# Altium PCB CM5_Adapter.PcbDoc (part 1 of 3) (continued)
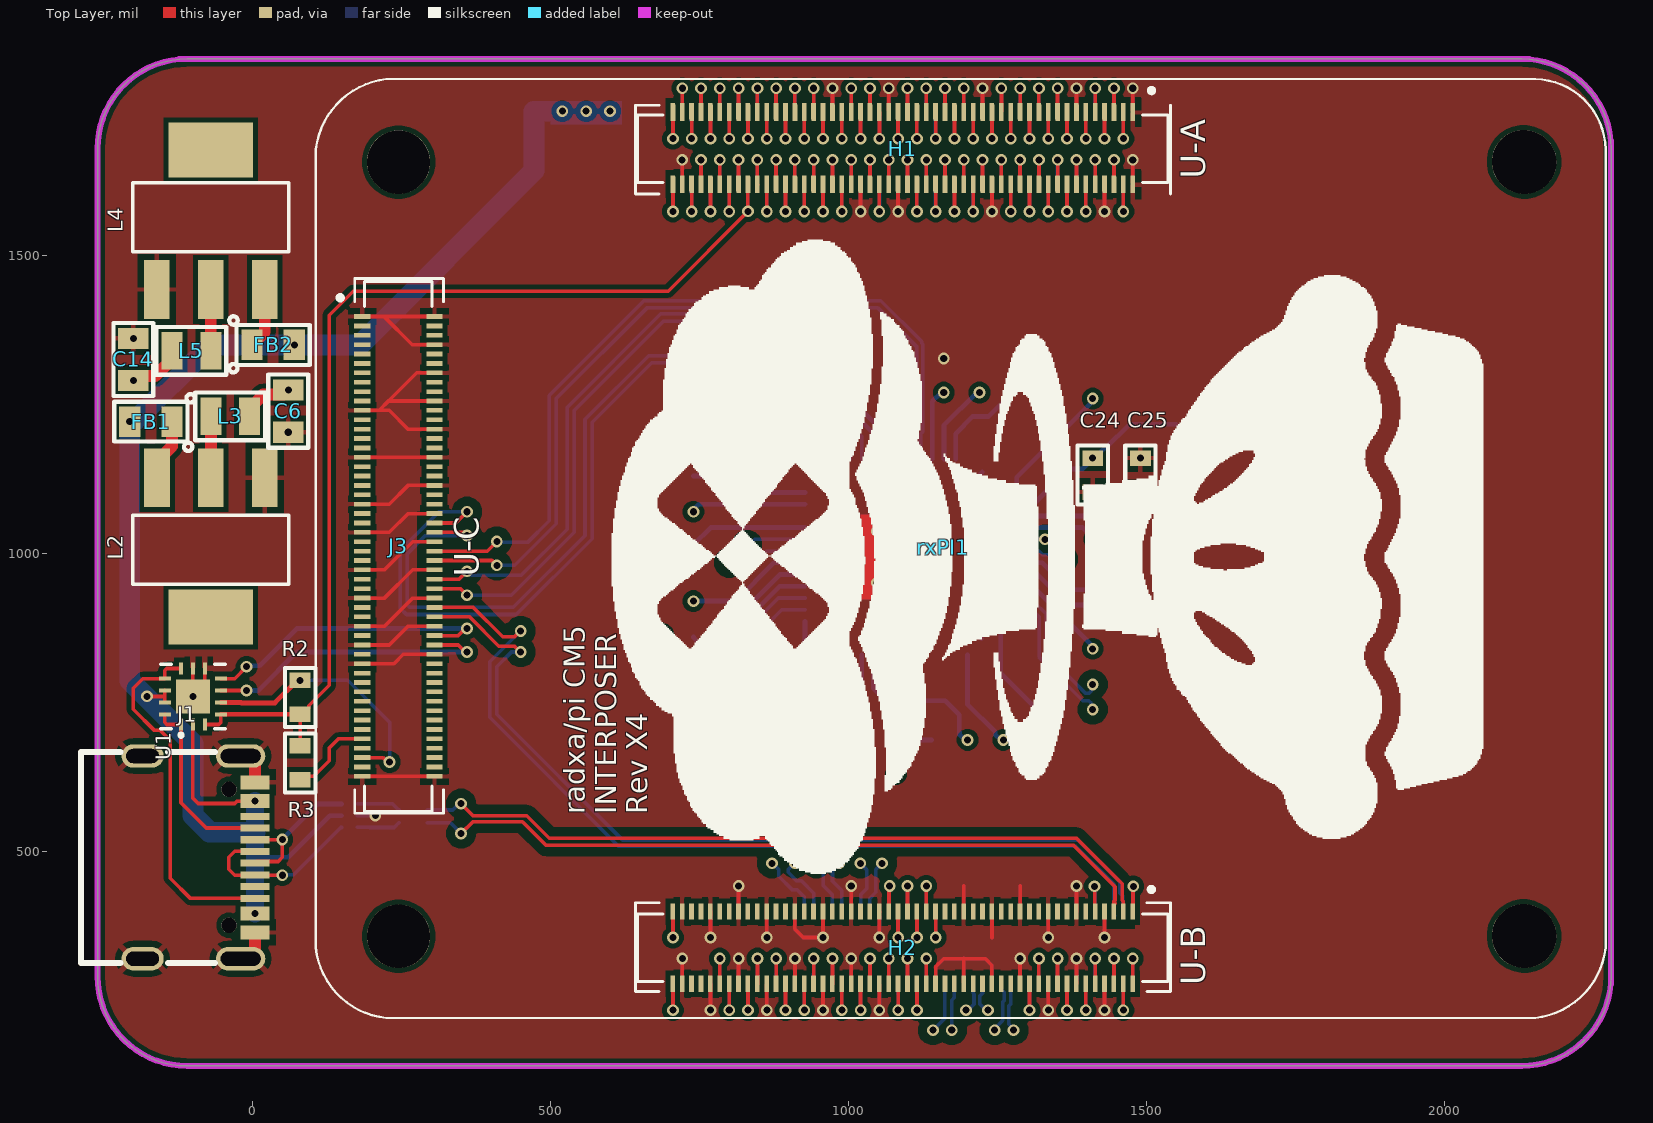
[diagram p0: Top Layer view]
## Components (designator, comment, footprint, x,y, rotation, side; value= is the part's Value field where it differs from the comment)
C1 "Generic Capacitor" 0603 960,630 r90 bottom value=1uF
C2 "Generic Capacitor" 0603 1260,630 r90 bottom value=0.1uF
C3 "Generic Capacitor" 0603 900,630 r90 bottom value=0.1uF
C4 "Generic Capacitor" 0603 683,920 r0 bottom value=0.1uF
C5 "Generic Capacitor" 0603 1080,1327 r270 bottom value=0.1uF
C6 "Generic Capacitor" 0805 60,1274.44 r270 top value=47uF
C7 "Generic Capacitor" 0603 1220,1327 r270 bottom value=0.1uF
C8 "Generic Capacitor" 0603 1467,840 r180 bottom value=0.1uF
C9 "Generic Capacitor" 0603 1200,630 r90 bottom value=0.1uF
C10 "Generic Capacitor" 0603 840,630 r90 bottom value=0.1uF
C11 "Generic Capacitor" 0603 683,1070 r0 bottom value=0.1uF
C12 "Generic Capacitor" 0603 683,1190 r0 bottom value=0.1uF
C13 "Generic Capacitor" 0603 1160,1327 r270 bottom value=0.1uF
C14 "Generic Capacitor" 0805 -200,1290 r90 top value=47uF
C15 "Generic Capacitor" 0603 1467,1260 r180 bottom value=0.1uF
C16 "Generic Capacitor" 0603 1470,1023.7 r180 bottom value=0.1uF
C17 "Generic Capacitor" 0603 1320,630 r90 bottom value=0.1uF
C18 "Generic Capacitor" 0603 1020,1327 r270 bottom value=0.1uF
C19 "Generic Capacitor" 0603 970,1327 r270 bottom value=0.1uF
C20 "Generic Capacitor" 0603 1470,950 r180 bottom value=0.1uF
C21 "Generic Capacitor" 0603 1470,900 r180 bottom value=0.1uF
C22 "Generic Capacitor" 0603 683,810 r0 bottom value=0.1uF
C23 "Generic Capacitor" 0603 683,860 r0 bottom value=0.1uF
C24 "Generic Capacitor" 0603 1410,1103 r90 top value=DNP
C25 "Generic Capacitor" 0603 1490,1160 r270 top value=DNP
D1 "2CH TVS" FP-SOT886-MFG 162.76,560 r180 bottom value=1pF
FB1 "BLM21PG221SN1D" 0805 -135.1,1221.19 r180 top
FB2 "BLM21PG221SN1D" 0805 -1,1350 r0 top
H1 "100P RCPT" DF40C-100DS-0.4V(51) 1091.38,1679.18 r0 top locked
H2 "100P MEZZ" DF40C-100DS-0.4V(51) 1091.19,338.46 r0 top locked
HA "100P MEZZ" DF40C-100DP-0.4V(51) 1091.38,1679.18 r180 bottom locked
HB "100P RCPT" DF40C-100DP-0.4V(51) 1091.38,337.53 r180 bottom locked
J1 "USB-C 2.0" GT-USB-7010ASV -90,490 r270 top
J3 "100P RCPT" DF40C-100DS-0.4V(51) 244.76,1011.78 r90 top locked
L1 "2CH CMC" SMD-6-2CH 270,558.7 r270 bottom
L2 "3.3V LDO" SOT-223-3 -70,1010 r270 top
L3 "1uH" 0806 -69.95,1230 r0 top
L4 "1.2V LDO" SOT-223-3 -70,1560 r90 top
L5 "1uH" 0806 -69.95,1340 r180 top
R1 "Generic Resistor" 0603 683,1130 r0 bottom value=10K
R2 "Generic Resistor" 0603 80,787 r270 top value=4.7K
R3 "Generic Resistor" 0603 80,677 r270 top value=0
R4 "Generic Resistor" 0603 1140,630 r90 bottom value=10K
R5 "Generic Resistor" 0603 1080,630 r90 bottom value=13K
R6 "Generic Resistor" 0603 683,1010 r0 bottom value=4.7k
R7 "Generic Resistor" 0603 1280,1327 r270 bottom value=4.7k
R8 "Generic Resistor" 0603 1020,630 r90 bottom value=1K
R9 "Generic Resistor" 0603 1550,1217 r270 bottom value=1M
rPI1 "CM5 Landing pads" "rP-200P-CM-REP (top)" 1190,1010 r270 bottom locked
rxPI1 "RxCM5 Landing pads" RX-300P-CM-FTPD 1158.52,1010 r90 top locked
U1 "FUSB302BMPX" MLP14_2P5X2P5_ONS-L -100,760 r90 top
U2 "TUSB8020BPHP" HTQFP-48(7x7) 1199.69,830 r180 bottom
Y1 "24MHZ" SMD2520-4P 1450,1130 r180 bottom

## Footprints (in the part's own frame and the unit in brackets; to place one, negate y for a bottom-side part, rotate by r counter-clockwise, add the part's x,y. Pads: shape width x height; smd on the part's side, far side on the other; paste and mask are expansions set on the pad)
0603 [mil] "Common Chip Capacitor 0603 (1608 Metric)"
  rect 26x35 smd: 1(0,0) 2(57,0)
  silkscreen extent -21,-26 78,26, body extent -2,-16 59,16, height 17
0805 [mil] "Common Chip Capacitor 0805 (2012 Metric)"
  rect 35.5x51 smd: 1(0,0) 2(71,0)
  silkscreen extent -26,-34 97,34, body extent -4,-25 75,25, height 19
0806 [mil]
  rect 35x62.9 smd: 1(0,0) 2(65.15,0)
  silkscreen extent -45,-58 91,40, body extent -7,-31 72,32, height 40
DF40C-100DP-0.4V(51) [mm]
  rect 0.23x0.66 smd: 1(-9.8,-1.355) 2(-9.8,1.355) 3(-9.4,-1.355) 4(-9.4,1.355) 5(-9,-1.355) 6(-9,1.355) 7(-8.6,-1.355) 8(-8.6,1.355) 9(-8.2,-1.355) 10(-8.2,1.355) 11(-7.8,-1.355) 12(-7.8,1.355) 13(-7.4,-1.355) 14(-7.4,1.355) 15(-7,-1.355) 16(-7,1.355) 17(-6.6,-1.355) 18(-6.6,1.355) 19(-6.2,-1.355) 20(-6.2,1.355) 21(-5.8,-1.355) 22(-5.8,1.355) 23(-5.4,-1.355) 24(-5.4,1.355) 25(-5,-1.355) 26(-5,1.355) 27(-4.6,-1.355) 28(-4.6,1.355) 29(-4.2,-1.355) 30(-4.2,1.355) 31(-3.8,-1.355) 32(-3.8,1.355) 33(-3.4,-1.355) 34(-3.4,1.355) 35(-3,-1.355) 36(-3,1.355) 37(-2.6,-1.355) 38(-2.6,1.355) 39(-2.2,-1.355) 40(-2.2,1.355) 41(-1.8,-1.355) 42(-1.8,1.355) 43(-1.4,-1.355) 44(-1.4,1.355) 45(-1,-1.355) 46(-1,1.355) 47(-0.6,-1.355) 48(-0.6,1.355) 49(-0.2,-1.355) 50(-0.2,1.355) 51(0.2,-1.355) 52(0.2,1.355) 53(0.6,-1.355) 54(0.6,1.355) 55(1,-1.355) 56(1,1.355) 57(1.4,-1.355) 58(1.4,1.355) 59(1.8,-1.355) 60(1.8,1.355) 61(2.2,-1.355) 62(2.2,1.355) 63(2.6,-1.355) 64(2.6,1.355) 65(3,-1.355) 66(3,1.355) 67(3.4,-1.355) 68(3.4,1.355) 69(3.8,-1.355) 70(3.8,1.355) 71(4.2,-1.355) 72(4.2,1.355) 73(4.6,-1.355) 74(4.6,1.355) 75(5,-1.355) 76(5,1.355) 77(5.4,-1.355) 78(5.4,1.355) 79(5.8,-1.355) 80(5.8,1.355) 81(6.2,-1.355) 82(6.2,1.355) 83(6.6,-1.355) 84(6.6,1.355) 85(7,-1.355) 86(7,1.355) 87(7.4,-1.355) 88(7.4,1.355) 89(7.8,-1.355) 90(7.8,1.355) 91(8.2,-1.355) 92(8.2,1.355) 93(8.6,-1.355) 94(8.6,1.355) 95(9,-1.355) 96(9,1.355) 97(9.4,-1.355) 98(9.4,1.355) 99(9.8,-1.355) 100(9.8,1.355)
  rect 0.35x0.66 smd: S1(-10.275,-1.355) S2(-10.275,1.355) S3(10.275,-1.355) S4(10.275,1.355)
  silkscreen extent -10.76,-2.35 10.76,0.92, body extent -10.76,-1.52 10.76,1.45, height 1.13
DF40C-100DS-0.4V(51) [mm] "Hirose 100pos RCPT (Short)"
  rect 0.2x0.7 smd paste-1: 1(9.8,1.54) 2(9.8,-1.54) 3(9.4,1.54) 4(9.4,-1.54) 5(9,1.54) 6(9,-1.54) 7(8.6,1.54) 8(8.6,-1.54) 9(8.2,1.54) 10(8.2,-1.54) 11(7.8,1.54) 12(7.8,-1.54) 13(7.4,1.54) 14(7.4,-1.54) 15(7,1.54) 16(7,-1.54) 17(6.6,1.54) 18(6.6,-1.54) 19(6.2,1.54) 20(6.2,-1.54) 21(5.8,1.54) 22(5.8,-1.54) 23(5.4,1.54) 24(5.4,-1.54) 25(5,1.54) 26(5,-1.54) 27(4.6,1.54) 28(4.6,-1.54) 29(4.2,1.54) 30(4.2,-1.54) 31(3.8,1.54) 32(3.8,-1.54) 33(3.4,1.54) 34(3.4,-1.54) 35(3,1.54) 36(3,-1.54) 37(2.6,1.54) 38(2.6,-1.54) 39(2.2,1.54) 40(2.2,-1.54) 41(1.8,1.54) 42(1.8,-1.54) 43(1.4,1.54) 44(1.4,-1.54) 45(1,1.54) 46(1,-1.54) 47(0.6,1.54) 48(0.6,-1.54) 49(0.2,1.54) 50(0.2,-1.54) 51(-0.2,1.54) 52(-0.2,-1.54) 53(-0.6,1.54) 54(-0.6,-1.54) 55(-1,1.54) 56(-1,-1.54) 57(-1.4,1.54) 58(-1.4,-1.54) 59(-1.8,1.54) 60(-1.8,-1.54) 61(-2.2,1.54) 62(-2.2,-1.54) 63(-2.6,1.54) 64(-2.6,-1.54) 65(-3,1.54) 66(-3,-1.54) 67(-3.4,1.54) 68(-3.4,-1.54) 69(-3.8,1.54) 70(-3.8,-1.54) 71(-4.2,1.54) 72(-4.2,-1.54) 73(-4.6,1.54) 74(-4.6,-1.54) 75(-5,1.54) 76(-5,-1.54) 77(-5.4,1.54) 78(-5.4,-1.54) 79(-5.8,1.54) 80(-5.8,-1.54) 81(-6.2,1.54) 82(-6.2,-1.54) 83(-6.6,1.54) 84(-6.6,-1.54) 85(-7,1.54) 86(-7,-1.54) 87(-7.4,1.54) 88(-7.4,-1.54) 89(-7.8,1.54) 90(-7.8,-1.54) 91(-8.2,1.54) 92(-8.2,-1.54) 93(-8.6,1.54) 94(-8.6,-1.54) 95(-9,1.54) 96(-9,-1.54) 97(-9.4,1.54) 98(-9.4,-1.54) 99(-9.8,1.54) 100(-9.8,-1.54)
  silkscreen extent -11.3,-1.44 11.3,2.58, body extent -11.3,-1.69 11.3,1.69, height 1.6
FP-SOT886-MFG [mm]
  rect 0.325x0.27 smd: 1(-0.337,0.5) 2(-0.337,0) 3(-0.337,-0.5) 4(0.337,-0.5) 5(0.337,0) 6(0.337,0.5)
  silkscreen extent -0.94,-1.01 0.53,1.01, body extent -0.5,-0.72 0.5,0.72, height 0.5
GT-USB-7010ASV [mm] "USB-C 2.0"
  rect 0.6x1.24 smd paste-100 mask+0.05: A1B12(-3.2,2.4) A4B9(-2.4,2.4) B1A12(3.2,2.4) B4A9(2.4,2.4)
  rect 0.3x1.24 smd paste-100 mask+0.05: A5(-1.25,2.4) A6(-0.25,2.4) A7(0.25,2.4) A8(1.25,2.4) B5(1.75,2.4) B6(0.75,2.4) B7(-0.75,2.4) B8(-1.75,2.4)
  oval 1x2.1 hole 0.6 slot 1.7 at 90 deg paste-2539.97 mask+0.05: S1(-4.32,1.78) S2(4.32,1.78)
  oval 1x1.8 hole 0.6 slot 1.4 at 90 deg paste-2539.97 mask+0.05: S3(4.32,-2.4) S4(-4.32,-2.4)
  round 0.65 hole 0.65 unplated: ""(-2.9,1.28) ""(2.89,1.28)
  silkscreen extent -4.5,-5.03 4.5,0.69, body extent -4.47,-5.03 4.47,2.57, height 3.3
HTQFP-48(7x7) [mm]
  rect 0.3x1.57 smd: 1(0,0) 2(0.5,0) 3(1,0) 4(1.5,0) 5(2,0) 6(2.5,0) 7(3,0) 8(3.5,0) 9(4,0) 10(4.5,0) 11(5,0) 12(5.5,0) 25(5.5,8.34) 26(5,8.34) 27(4.5,8.34) 28(4,8.34) 29(3.5,8.34) 30(3,8.34) 31(2.5,8.34) 32(2,8.34) 33(1.5,8.34) 34(1,8.34) 35(0.5,8.34) 36(0,8.34)
  rect 1.57x0.3 smd: 13(6.92,1.42) 14(6.92,1.92) 15(6.92,2.42) 16(6.92,2.92) 17(6.92,3.42) 18(6.92,3.92) 19(6.92,4.42) 20(6.92,4.92) 21(6.92,5.42) 22(6.92,5.92) 23(6.92,6.42) 24(6.92,6.92) 37(-1.42,6.92) 38(-1.42,6.42) 39(-1.42,5.92) 40(-1.42,5.42) 41(-1.42,4.92) 42(-1.42,4.42) 43(-1.42,3.92) 44(-1.42,3.42) 45(-1.42,2.92) 46(-1.42,2.42) 47(-1.42,1.92) 48(-1.42,1.42)
  rect 3.62x3.62 smd paste-3: 49(2.75,4.17)
  silkscreen extent -0.85,-0.53 6.25,7.67, body extent -1.75,-0.33 7.25,8.67, height 1.2
MLP14_2P5X2P5_ONS-L [mil]
  rect 20x7 smd: 1(-47,20) 2(-47,0) 3(-47,-20) 8(47,-20) 9(47,0) 10(47,20)
  rect 7x20 smd: 4(-30,-47) 5(-10,-47) 6(10,-47) 7(30,-47) 11(30,47) 12(10,47) 13(-10,47) 14(-30,47)
  rect 57x57 smd: 15(0,0)
  silkscreen extent -66,-54 54,54, body extent -49,-49 49,49, height 30
"rP-200P-CM-REP (top)" [mm] "Landing-Pad for 200-pin compute modules"
  rect 0.7x0.2 smd mask+0: 1(-18.597,-7.29) 2(-15.517,-7.29) 3(-18.597,-6.89) 4(-15.517,-6.89) 5(-18.597,-6.49) 6(-15.517,-6.49) 7(-18.597,-6.09) 8(-15.517,-6.09) 9(-18.597,-5.69) 10(-15.517,-5.69) 11(-18.597,-5.29) 12(-15.517,-5.29) 13(-18.597,-4.89) 14(-15.517,-4.89) 15(-18.597,-4.49) 16(-15.517,-4.49) 17(-18.597,-4.09) 18(-15.517,-4.09) 19(-18.597,-3.69) 20(-15.517,-3.69) 21(-18.597,-3.29) 22(-15.517,-3.29) 23(-18.597,-2.89) 24(-15.517,-2.89) 25(-18.597,-2.49) 26(-15.517,-2.49) 27(-18.597,-2.09) 28(-15.517,-2.09) 29(-18.597,-1.69) 30(-15.517,-1.69) 31(-18.597,-1.29) 32(-15.517,-1.29) 33(-18.597,-0.89) 34(-15.517,-0.89) 35(-18.597,-0.49) 36(-15.517,-0.49) 37(-18.597,-0.09) 38(-15.517,-0.09) 39(-18.597,0.31) 40(-15.517,0.31) 41(-18.597,0.71) 42(-15.517,0.71) 43(-18.597,1.11) 44(-15.517,1.11) 45(-18.597,1.51) 46(-15.517,1.51) 47(-18.597,1.91) 48(-15.517,1.91) 49(-18.597,2.31) 50(-15.517,2.31) 51(-18.597,2.71) 52(-15.517,2.71) 53(-18.597,3.11) 54(-15.517,3.11) 55(-18.597,3.51) 56(-15.517,3.51) 57(-18.597,3.91) 58(-15.517,3.91) 59(-18.597,4.31) 60(-15.517,4.31) 61(-18.597,4.71) 62(-15.517,4.71) 63(-18.597,5.11) 64(-15.517,5.11) 65(-18.597,5.51) 66(-15.517,5.51) 67(-18.597,5.91) 68(-15.517,5.91) 69(-18.597,6.31) 70(-15.517,6.31) 71(-18.597,6.71) 72(-15.517,6.71) 73(-18.597,7.11) 74(-15.517,7.11) 75(-18.597,7.51) 76(-15.517,7.51) 77(-18.597,7.91) 78(-15.517,7.91) 79(-18.597,8.31) 80(-15.517,8.31) 81(-18.597,8.71) 82(-15.517,8.71) 83(-18.597,9.11) 84(-15.517,9.11) 85(-18.597,9.51) 86(-15.517,9.51) 87(-18.597,9.91) 88(-15.517,9.91) 89(-18.597,10.31) 90(-15.517,10.31) 91(-18.597,10.71) 92(-15.517,10.71) 93(-18.597,11.11) 94(-15.517,11.11) 95(-18.597,11.51) 96(-15.517,11.51) 97(-18.597,11.91) 98(-15.517,11.91) 99(-18.597,12.31) 100(-15.517,12.31) 101(15.517,-7.29) 102(18.597,-7.29) 103(15.517,-6.89) 104(18.597,-6.89) 105(15.517,-6.49) 106(18.597,-6.49) 107(15.517,-6.09) 108(18.597,-6.09) 109(15.517,-5.69) 110(18.597,-5.69) 111(15.517,-5.29) 112(18.597,-5.29) 113(15.517,-4.89) 114(18.597,-4.89) 115(15.517,-4.49) 116(18.597,-4.49) 117(15.517,-4.09) 118(18.597,-4.09) 119(15.517,-3.69) 120(18.597,-3.69) 121(15.517,-3.29) 122(18.597,-3.29) 123(15.517,-2.89) 124(18.597,-2.89) 125(15.517,-2.49) 126(18.597,-2.49) 127(15.517,-2.09) 128(18.597,-2.09) 129(15.517,-1.69) 130(18.597,-1.69) 131(15.517,-1.29) 132(18.597,-1.29) 133(15.517,-0.89) 134(18.597,-0.89) 135(15.517,-0.49) 136(18.597,-0.49) 137(15.517,-0.09) 138(18.597,-0.09) 139(15.517,0.31) 140(18.597,0.31) 141(15.517,0.71) 142(18.597,0.71) 143(15.517,1.11) 144(18.597,1.11) 145(15.517,1.51) 146(18.597,1.51) 147(15.517,1.91) 148(18.597,1.91) 149(15.517,2.31) 150(18.597,2.31) 151(15.517,2.71) 152(18.597,2.71) 153(15.517,3.11) 154(18.597,3.11) 155(15.517,3.51) 156(18.597,3.51) 157(15.517,3.91) 158(18.597,3.91) 159(15.517,4.31) 160(18.597,4.31) 161(15.517,4.71) 162(18.597,4.71) 163(15.517,5.11) 164(18.597,5.11) 165(15.517,5.51) 166(18.597,5.51) 167(15.517,5.91) 168(18.597,5.91) 169(15.517,6.31) 170(18.597,6.31) 171(15.517,6.71) 172(18.597,6.71) 173(15.517,7.11) 174(18.597,7.11) 175(15.517,7.51) 176(18.597,7.51) 177(15.517,7.91) 178(18.597,7.91) 179(15.517,8.31) 180(18.597,8.31) 181(15.517,8.71) 182(18.597,8.71) 183(15.517,9.11) 184(18.597,9.11) 185(15.517,9.51) 186(18.597,9.51) 187(15.517,9.91) 188(18.597,9.91) 189(15.517,10.31) 190(18.597,10.31) 191(15.517,10.71) 192(18.597,10.71) 193(15.517,11.11) 194(18.597,11.11) 195(15.517,11.51) 196(18.597,11.51) 197(15.517,11.91) 198(18.597,11.91) 199(15.517,12.31) 200(18.597,12.31)
  round 2.7 hole 2.7 paste-2539.97 mask+1.7: Un1(-16.427,24) Un2(16.573,-24) Un3(16.573,24) Un4(-16.427,-24)
  silkscreen extent -19.93,-27.5 20.07,27.5
RX-300P-CM-FTPD [mm] "Landing-Pad for 300-pin radxa compute modules"
  rect 0.7x0.2 smd mask+0: 1(18.597,-8.09) 2(15.517,-8.09) 3(18.597,-7.69) 4(15.517,-7.69) 5(18.597,-7.29) 6(15.517,-7.29) 7(18.597,-6.89) 8(15.517,-6.89) 9(18.597,-6.49) 10(15.517,-6.49) 11(18.597,-6.09) 12(15.517,-6.09) 13(18.597,-5.69) 14(15.517,-5.69) 15(18.597,-5.29) 16(15.517,-5.29) 17(18.597,-4.89) 18(15.517,-4.89) 19(18.597,-4.49) 20(15.517,-4.49) 21(18.597,-4.09) 22(15.517,-4.09) 23(18.597,-3.69) 24(15.517,-3.69) 25(18.597,-3.29) 26(15.517,-3.29) 27(18.597,-2.89) 28(15.517,-2.89) 29(18.597,-2.49) 30(15.517,-2.49) 31(18.597,-2.09) 32(15.517,-2.09) 33(18.597,-1.69) 34(15.517,-1.69) 35(18.597,-1.29) 36(15.517,-1.29) 37(18.597,-0.89) 38(15.517,-0.89) 39(18.597,-0.49) 40(15.517,-0.49) 41(18.597,-0.09) 42(15.517,-0.09) 43(18.597,0.31) 44(15.517,0.31) 45(18.597,0.71) 46(15.517,0.71) 47(18.597,1.11) 48(15.517,1.11) 49(18.597,1.51) 50(15.517,1.51) 51(18.597,1.91) 52(15.517,1.91) 53(18.597,2.31) 54(15.517,2.31) 55(18.597,2.71) 56(15.517,2.71) 57(18.597,3.11) 58(15.517,3.11) 59(18.597,3.51) 60(15.517,3.51) 61(18.597,3.91) 62(15.517,3.91) 63(18.597,4.31) 64(15.517,4.31) 65(18.597,4.71) 66(15.517,4.71) 67(18.597,5.11) 68(15.517,5.11) 69(18.597,5.51) 70(15.517,5.51) 71(18.597,5.91) 72(15.517,5.91) 73(18.597,6.31) 74(15.517,6.31) 75(18.597,6.71) 76(15.517,6.71) 77(18.597,7.11) 78(15.517,7.11) 79(18.597,7.51) 80(15.517,7.51) 81(18.597,7.91) 82(15.517,7.91) 83(18.597,8.31) 84(15.517,8.31) 85(18.597,8.71) 86(15.517,8.71) 87(18.597,9.11) 88(15.517,9.11) 89(18.597,9.51) 90(15.517,9.51) 91(18.597,9.91) 92(15.517,9.91) 93(18.597,10.31) 94(15.517,10.31) 95(18.597,10.71) 96(15.517,10.71) 97(18.597,11.11) 98(15.517,11.11) 99(18.597,11.51) 100(15.517,11.51) 101(-15.517,-8.09) 102(-18.597,-8.09) 103(-15.517,-7.69) 104(-18.597,-7.69) 105(-15.517,-7.29) 106(-18.597,-7.29) 107(-15.517,-6.89) 108(-18.597,-6.89) 109(-15.517,-6.49) 110(-18.597,-6.49) 111(-15.517,-6.09) 112(-18.597,-6.09) 113(-15.517,-5.69) 114(-18.597,-5.69) 115(-15.517,-5.29) 116(-18.597,-5.29) 117(-15.517,-4.89) 118(-18.597,-4.89) 119(-15.517,-4.49) 120(-18.597,-4.49) 121(-15.517,-4.09) 122(-18.597,-4.09) 123(-15.517,-3.69) 124(-18.597,-3.69) 125(-15.517,-3.29) 126(-18.597,-3.29) 127(-15.517,-2.89) 128(-18.597,-2.89) 129(-15.517,-2.49) 130(-18.597,-2.49) 131(-15.517,-2.09) 132(-18.597,-2.09) 133(-15.517,-1.69) 134(-18.597,-1.69) 135(-15.517,-1.29) 136(-18.597,-1.29) 137(-15.517,-0.89) 138(-18.597,-0.89) 139(-15.517,-0.49) 140(-18.597,-0.49) 141(-15.517,-0.09) 142(-18.597,-0.09) 143(-15.517,0.31) 144(-18.597,0.31) 145(-15.517,0.71) 146(-18.597,0.71) 147(-15.517,1.11) 148(-18.597,1.11) 149(-15.517,1.51) 150(-18.597,1.51) 151(-15.517,1.91) 152(-18.597,1.91) 153(-15.517,2.31) 154(-18.597,2.31) 155(-15.517,2.71) 156(-18.597,2.71) 157(-15.517,3.11) 158(-18.597,3.11) 159(-15.517,3.51) 160(-18.597,3.51) 161(-15.517,3.91) 162(-18.597,3.91) 163(-15.517,4.31) 164(-18.597,4.31) 165(-15.517,4.71) 166(-18.597,4.71) 167(-15.517,5.11) 168(-18.597,5.11) 169(-15.517,5.51) 170(-18.597,5.51) 171(-15.517,5.91) 172(-18.597,5.91) 173(-15.517,6.31) 174(-18.597,6.31) 175(-15.517,6.71) 176(-18.597,6.71) 177(-15.517,7.11) 178(-18.597,7.11) 179(-15.517,7.51) 180(-18.597,7.51) 181(-15.517,7.91) 182(-18.597,7.91) 183(-15.517,8.31) 184(-18.597,8.31) 185(-15.517,8.71) 186(-18.597,8.71) 187(-15.517,9.11) 188(-18.597,9.11) 189(-15.517,9.51) 190(-18.597,9.51) 191(-15.517,9.91) 192(-18.597,9.91) 193(-15.517,10.31) 194(-18.597,10.31) 195(-15.517,10.71) 196(-18.597,10.71) 197(-15.517,11.11) 198(-18.597,11.11) 199(-15.517,11.51) 200(-18.597,11.51)
  rect 0.2x0.7 smd mask+0: 201(9.845,21.67) 202(9.845,24.75) 203(9.445,21.67) 204(9.445,24.75) 205(9.045,21.67) 206(9.045,24.75) 207(8.645,21.67) 208(8.645,24.75) 209(8.245,21.67) 210(8.245,24.75) 211(7.845,21.67) 212(7.845,24.75) 213(7.445,21.67) 214(7.445,24.75) 215(7.045,21.67) 216(7.045,24.75) 217(6.645,21.67) 218(6.645,24.75) 219(6.245,21.67) 220(6.245,24.75) 221(5.845,21.67) 222(5.845,24.75) 223(5.445,21.67) 224(5.445,24.75) 225(5.045,21.67) 226(5.045,24.75) 227(4.645,21.67) 228(4.645,24.75) 229(4.245,21.67) 230(4.245,24.75) 231(3.845,21.67) 232(3.845,24.75) 233(3.445,21.67) 234(3.445,24.75) 235(3.045,21.67) 236(3.045,24.75) 237(2.645,21.67) 238(2.645,24.75) 239(2.245,21.67) 240(2.245,24.75) 241(1.845,21.67) 242(1.845,24.75) 243(1.445,21.67) 244(1.445,24.75) 245(1.045,21.67) 246(1.045,24.75) 247(0.645,21.67) 248(0.645,24.75) 249(0.245,21.67) 250(0.245,24.75) 251(-0.155,21.67) 252(-0.155,24.75) 253(-0.555,21.67) 254(-0.555,24.75) 255(-0.955,21.67) 256(-0.955,24.75) 257(-1.355,21.67) 258(-1.355,24.75) 259(-1.755,21.67) 260(-1.755,24.75) 261(-2.155,21.67) 262(-2.155,24.75) 263(-2.555,21.67) 264(-2.555,24.75) 265(-2.955,21.67) 266(-2.955,24.75) 267(-3.355,21.67) 268(-3.355,24.75) 269(-3.755,21.67) 270(-3.755,24.75) 271(-4.155,21.67) 272(-4.155,24.75) 273(-4.555,21.67) 274(-4.555,24.75) 275(-4.955,21.67) 276(-4.955,24.75) 277(-5.355,21.67) 278(-5.355,24.75) 279(-5.755,21.67) 280(-5.755,24.75) 281(-6.155,21.67) 282(-6.155,24.75) 283(-6.555,21.67) 284(-6.555,24.75) 285(-6.955,21.67) 286(-6.955,24.75) 287(-7.355,21.67) 288(-7.355,24.75) 289(-7.755,21.67) 290(-7.755,24.75) 291(-8.155,21.67) 292(-8.155,24.75) 293(-8.555,21.67) 294(-8.555,24.75) 295(-8.955,21.67) 296(-8.955,24.75) 297(-9.355,21.67) 298(-9.355,24.75) 299(-9.755,21.67) 300(-9.755,24.75)
  round 2.7 hole 2.7 paste-2539.97 mask+1.7: Un2(-16.553,-24.749) Un3(-16.573,23.201) Un4(16.447,-24.749) ""(16.427,23.201)
  silkscreen extent -20.05,-28.25 19.97,26.73
SMD2520-4P [mm] "SMD Crystal Resonator"
  rect 1.2x1.1 smd: 1(-0.95,-0.75) 2(0.95,-0.75) 3(0.95,0.75) 4(-0.95,0.75)
  silkscreen extent -2.01,-1.76 1.78,1.53, body extent -1.55,-1.3 1.55,1.3, height 0.5
SMD-6-2CH [mm] "SMD Common Mode Filters"
  rect 0.35x0.4 smd: 1(-0.275,-0.6) 2(0.275,-0.6) 3(0.275,0.6) 4(-0.275,0.6)
  rect 0.4x0.3 smd: 5(-0.475,0) 6(0.475,0)
  silkscreen extent -0.63,-1.09 0.64,0.89, body extent -0.68,-0.89 0.67,0.88, height 1
SOT-223-3 [mm] "Linear Voltage Regulator"
  rect 2.5x1.1 smd: 1(-2.97,2.301) 2(-2.97,0.001) 3(-2.97,-2.299)
  rect 2.34x3.6 smd: NC(2.97,0.001)
  silkscreen extent -1.37,-3.32 1.57,3.33, body extent -3.71,-3.38 3.59,3.32, height 1.8

## Part data
C1 C6 C14 C24 C25: Tolerance=10%, Voltage=>10V
C2 C3 C4 C5 C7 C8 C9 C10 C11 C12 C13 C15 C16 C17 C18 C19 C20 C21 C22 C23: Tolerance=10%, Voltage=10V
D1: library part PRTR5V0U2F,115, "TVS DIODE 5.5V 6XSON SOT886", Ambient Temperature Range High=+85°C, Ambient Temperature Range Low=-40°C, Breakdown Voltage=6V, Capacitance=1pF, LCSC PN=C478118, Manufacturer=Nexperia, Package=SOT886, Reverse Standoff Voltage=5.5V, Supplier Part Number 1=6047094, Automotive=Yes, Automotive Grade="Grade 3", Category=Diode, ComponentLink2Description=Datasheet, ComponentLink2URL=https://assets.nexperia.com/documents/data-sheet/PRTR5V0U2F_PRTR5V0U2K.pdf, Device Class L1="Circuit Protection", Device Class L2="TVS Diodes", Device Class L3=unset, Digikey Description="TVS DIODE 5.5V 6XSON SOT886", Direction=Unidirectional, Footprint Url=https://assets.nexperia.com/documents/outline-drawing/SOT886.pdf, Height=0.5mm, Lead Free=Yes, Manufacturer Part Number=PRTR5V0U2F,115, Number of Channels=2, Octopart=https://octopart.com/prtr5v0u2f%2C115-nexperia-78741690, RoHS=TRUE, Supplier 1="Future Electronics"
FB1 FB2: "220 Ohms @ 100 MHz 1 Power Line Ferrite Bead 0805 (2012 Metric) 2A 45mOhm", Case Code (Imperial)=0805, Case Code (Metric)=2012, Current=2A, DC Resistance (DCR)=45mR, Frequency=100MHz, Manufacturer=Murata, Max Operating Temperature=125°C, Min Operating Temperature=-55°C, Package Quantity=1, Supplier Part Number 1=73M9167, Tolerance=25%, Case/Package=0805, Category="Ferrite Beads and Chips", ComponentLink1Description=https://datasheet.ciiva.com/1012/l0110s0100blm21p-1012288.pdf?src-supplier=Digi-Key, ComponentLink1URL=https://datasheet.ciiva.com/1012/l0110s0100blm21p-1012288.pdf?src-supplier=Digi-Key, ComponentLink2Description=https://datasheet.ciiva.com/30514/1845321-30514028.pdf?src-supplier=Jameco, ComponentLink2URL=https://datasheet.ciiva.com/30514/1845321-30514028.pdf?src-supplier=Jameco, ComponentLink3Description=https://datasheet.ciiva.com/11799/0900766b81275e31-11799232.pdf?src-supplier=RSComponents, ComponentLink3URL=https://datasheet.ciiva.com/11799/0900766b81275e31-11799232.pdf?src-supplier=RSComponents, ComponentLink4Description=https://datasheet.ciiva.com/29348/442529-da-01-en-chip-drossel-0805-220r-2000ma-2-0x1-25mm-29348007.pdf?src-supplier=Conrad, ComponentLink4URL=https://datasheet.ciiva.com/29348/442529-da-01-en-chip-drossel-0805-220r-2000ma-2-0x1-25mm-29348007.pdf?src-supplier=Conrad, ComponentLink5Description=https://datasheet.ciiva.com/1012/l0110s0100blm21p-1012287.pdf?src-supplier=Digi-Key, ComponentLink5URL=https://datasheet.ciiva.com/1012/l0110s0100blm21p-1012287.pdf?src-supplier=Digi-Key, ComponentLink6Description=https://datasheet.ciiva.com/1012/l0110s0100blm21p-1012289.pdf?src-supplier=Digi-Key, ComponentLink6URL=https://datasheet.ciiva.com/1012/l0110s0100blm21p-1012289.pdf?src-supplier=Digi-Key, ComponentLink7Description=https://datasheet.ciiva.com/3081/l0110s0100blm21p-3081655.pdf?src-supplier=Avnet, ComponentLink7URL=https://datasheet.ciiva.com/3081/l0110s0100blm21p-3081655.pdf?src-supplier=Avnet, ComponentLink8Description=https://datasheet.ciiva.com/14122/anblm21p-data-e-14122214.pdf?src-supplier=Distrelec, ComponentLink8URL=https://datasheet.ciiva.com/14122/anblm21p-data-e-14122214.pdf?src-supplier=Distrelec, ComponentLink9Description=https://datasheet.ciiva.com/16215/l0110s0100blm21p-16215194.pdf?src-supplier=Future+Electronics, ComponentLink9URL=https://datasheet.ciiva.com/16215/l0110s0100blm21p-16215194.pdf?src-supplier=Future+Electronics, ComponentLink10Description=https://datasheet.ciiva.com/8021/1756152-8021596.pdf?src-supplier=Element14, ComponentLink10URL=https://datasheet.ciiva.com/8021/1756152-8021596.pdf?src-supplier=Element14, ComponentLink11Description=https://datasheet.ciiva.com/8021/1756152-8021598.pdf?src-supplier=Element14, ComponentLink11URL=https://datasheet.ciiva.com/8021/1756152-8021598.pdf?src-supplier=Element14, Contact Plating=Tin,Matte, Core Material=Ferrite, Current Rating=2A, DC Current=2A, DC Resistance-Max=45mR, Depth=1.25mm, Height=0.85mm, Impedance=220R, Lead Free="Lead Free", Length=2mm, Manufacturer Part Number=BLM21PG221SN1D, Material=Ferrite,Steel, Max Current Rating=2A, Max DC Current=2A, Military Standard=Not, Number of Circuits=1, Number of Lines=1, Number of Pins=2, Packaging="Tape and Reel", Pricing 1="1=0.10000, 10=0.05300, 25=0.04700, 50=0.04200, 100=0.03600 (USD)", Radiation Hardening=No, REACH SVHC="No SVHC", RoHS=Yes, RoHS Compliant=Yes, Series=BLM21P, Shielding=Unshielded, Stock 1=21832, Supplier 1=Newark, Termination=SMD/SMT, Test Frequency=100MHz, Width=1.25mm
H1 H2 J3: library part "DF40-100DS RCPT_1", "100 Position Connector Receptacle, Center Strip Contacts Surface Mount Gold", LCSC PN=C597931, Package=None, Supplier Part Number 1=DF40C-100DS-0.4V(5, Check_prices=https://www.snapeda.com/parts/DF40C-100DS-0.4V(51)/Hirose/view-part/?ref=eda, MF=Hirose, MP=DF40C-100DS-0.4V(51), SnapEDA_Link=https://www.snapeda.com/parts/DF40C-100DS-0.4V(51)/Hirose/view-part/?ref=snap, Supplier 1=Avnet, Supplier 2=Digikey, Supplier Part Number 2=26-DF40HC(3.0)-100DS-0.4V(51)CT-ND
HA HB: library part "DF40-XX-100DS RCPT", "100 Position Connector Receptacle, Center Strip Contacts Surface Mount Gold", LCSC PN=C19089239, Package=None, Supplier Part Number 1=DF40C-100DS-0.4V(5, Check_prices=https://www.snapeda.com/parts/DF40C-100DS-0.4V(51)/Hirose/view-part/?ref=eda, MF=Hirose, MP=DF40C-100DS-0.4V(51), SnapEDA_Link=https://www.snapeda.com/parts/DF40C-100DS-0.4V(51)/Hirose/view-part/?ref=snap, Supplier 1=Avnet, Supplier 2=Digikey, Supplier Part Number 2=26-DF40HC(3.0)-100DS-0.4V(51)CT-ND
J1: library part 12402012E212A, "USB-C (USB TYPE-C) USB 2.0 Receptacle Connector 24 (16+8 Dummy) Position Surface Mount, Right Angle; Through Hole", LCSC PN=C2988369, Supplier Part Number 1=71AJ9393, Supplier 1=Newark, Supplier 2=Avnet, Supplier Part Number 2=12402012E212A
L1: library part ICMEF112P350MFR, "35Ω@100MHz -40℃~+85℃ 4Ω 5V 2 100mA SMD Common Mode Filters ROHS", LCSC PN=C396460, Supplier Part Number 1=710-748020024, Supplier 1=Mouser
L2: library part ZLDO1117QG33TA, "80dB@(120Hz) 1A Fixed 3.3V~3.3V Positive 18V SOT-223 Linear Voltage Regulator", LCSC PN=C326523
L3 L5: library part HMLQ20161T-1R0MDR, "1µH Shielded Fixed Inductor 59mOhm Max 0806 (2016 Metric) -", Manufacturer 1=Cyntec, Supplier Part Number 1=2037-HMLQ20161T-1R0MDRCT-ND, Manufacturer Part Number 1=HMLQ20161T-1R0MDR, Pricing 1="1=0.26000, 10=0.23200, 25=0.20320, 50=0.17400, 100=0.15950, 250=0.14500, 500=0.13630, 1000=0.10440 (USD)", RoHS=No, Stock 1=1810, Supplier 1=Digi-Key
L4: library part SSP1117-1.2V, "1A Fixed 1.2V Positive 20V SOT-223 Linear Voltage Regulator", LCSC PN=C277890
R1 R2 R3 R4 R5 R6 R7 R8 R9: Power=1/10W, Tolerance=1%
rPI1: library part RP-CM5-Rep, "Compute Module 5 adapter Footprint / Overlap Hirose 100P connector over pads to place actual components"
rxPI1: library part RX-CM5, "Radxa Compute Module 5 Footprint / Overlap Hirose 100P connector over pads to place actual components"
U1: "IC USB TYPE C CTLR PROGR 14-MLP", LCSC PN=C132291, Manufacturer_Name=onsemi, Copyright="Copyright (C) 2025 Ultra Librarian. All rights reserved.", Manufacturer_Part_Number=FUSB302BMPX, RefDes=RefDes, Type=Type
U2: "USB Hub Controller USB 3.0", LCSC PN=C205982, Supplier Part Number 1=595-TUSB8020BPHP, Supplier 1=Mouser
Y1: library part CM4024M00020001, "24MHz 20pF ±10ppm ±30ppm SMD-2520-4P Crystals ROHS", LCSC PN=C7294628

## Via types
v1: diameter 19.68, hole 11.81, Top Layer to Bottom Layer, 240 vias

## Nets (pads, with @x,y where several pads share a name; then routed paths per layer and width w, separated by ;. In a path a pad name is that pad's centre, name@x,y a point inside that pad or via, vN(x,y) a via of type N, cw(c..) or ccw(c..) an arc to the next point about the centre after c; other vN are vias at no path point)
1.2VDC: C2.2 C3.2 C4.2 C5.2 C7.2 C8.2 C14.1 L5.2 R5.1 U2.1 U2.12 U2.18 U2.30 U2.34 U2.45 | length 2106.4
  Top Layer w20: C14.1@-200,1290 -192.25,1297.75 -163.4,1297.75 -135.1,1326.05 L5.2@-135.1,1340
  Sig2 w35: v1(-199.91,1290.09) 27.09,1290.09 45.87,1308.87 791.13,1308.87
  Bottom Layer w8: v1(740,920) 810.63,920 874.96,984.33 U2.18@927.24,984.33 ; v1(900,687) 900,721.85 983.15,805 U2.12@983.15,830 ; v1(1080,1270) 1081.57,1268.43 U2.30@1081.57,1158.35 ; U2.34@1160.31,1158.35 1160.31,1214.81 1215.5,1270 v1(1220,1270) ; U2.1@1199.69,830 1199.69,747.32 1246.5,700.5 1246.5,696 1255.5,687 v1(1260,687) ; U2.45@1255.59,944.96 1309.54,944.96 1410,844.5 v1(1410,840)
  other v1: 1080,630
3.3VDC: C6.1 C9.2 C10.2 C11.2 C12.2 C13.2 C15.2 C16.2 C17.2 L3.2 U2.7 U2.13 U2.23 U2.25 U2.33 U2.37 U2.40 U2.48 | length 2485.3
  Top Layer w20: L3.2@-4.8,1230 -4.8,1243.95 17.93,1266.69 52.25,1266.69 C6.1@60,1274.44
  Sig1 w35: v1(60.09,1274.53) 785.47,1274.53
  Bottom Layer w8: v1(740,1070) 740,1073.76 749,1082.76 U2.23@927.24,1082.76 ; v1(740,1190) 857.46,1190 889.11,1158.35 U2.25@983.15,1158.35 ; v1(840,687) 840,710 927.24,797.24 U2.13@927.24,885.91 ; U2.7@1081.57,830 1081.57,773.15 1101.89,752.83 1162.52,752.83 1185.91,729.45 1185.91,701.09 1186.5,700.5 1186.5,696 1195.5,687 v1(1200,687) ; U2.33@1140.63,1158.35 1140.63,1255.13 1155.5,1270 v1(1160,1270) ; U2.48@1255.59,885.91 1255.59,799.09 1320,734.68 v1(1320,687) ; U2.40@1255.59,1043.39 1393.31,1043.39 1399.5,1037.2 1404,1037.2 1413,1028.2 v1(1413,1023.7) ; U2.37@1255.59,1102.44 1280.59,1102.44 1282.5,1104.35 1282.5,1128 1410,1255.5 v1(1410,1260)
5VDC_BUS: D1.5 FB1.2 FB2.2 H1.77 H1.79 H1.81 H1.83 H1.85 H1.87 HA.78 HA.80 HA.82 HA.84 HA.86 HA.88 J1.A4B9 J1.B4A9 rPI1.77 rPI1.79 rPI1.81 rPI1.83 rPI1.85 rPI1.87 rxPI1.77 rxPI1.79 rxPI1.81 rxPI1.83 rxPI1.85 rxPI1.87 U1.2 U1.12 U1.13 | length 2980.4
  Top Layer w6: v1@-178.34,760 -147,760 ; U1.13@-147,750 -147,760 ; U1.12@-147,770 -147,760 ; U1.2@-100,713 -100,589.18 -91.2,580.37 -29.74,580.37 -25.63,584.49 v1(4.49,584.49)
  Top Layer w6.3: rxPI1.87@799.85,1742.17 799.95,1742.07 799.95,1696.16 v1(800.04,1696.06) ; H1.85@815.79,1739.81 v1(815.79,1780.71) ; rxPI1.83@831.35,1742.17 831.44,1742.07 831.44,1696.16 v1(831.54,1696.06) ; rxPI1.81@847.1,1742.17 847.19,1742.26 847.19,1780.62 v1(847.28,1780.71) ; rxPI1.79@862.84,1742.17 862.94,1742.07 862.94,1696.16 v1(863.03,1696.06) ; rxPI1.77@878.59,1742.17 878.69,1742.26 878.69,1780.62 v1(878.78,1780.71)
  Bottom Layer w6.3: rPI1.87@799.85,1742.17 799.85,1725.24 800.04,1725.05 v1(800.04,1696.06) ; rPI1.85@815.6,1742.17 815.6,1759.1 815.79,1759.28 v1(815.79,1780.71) ; rPI1.83@831.35,1742.17 831.35,1725.24 831.54,1725.05 v1(831.54,1696.06) ; rPI1.81@847.1,1742.17 847.1,1759.1 847.28,1759.28 v1(847.28,1780.71) ; rPI1.79@862.84,1742.17 862.84,1725.24 863.03,1725.05 v1(863.03,1696.06) ; rPI1.77@878.59,1742.17 878.59,1759.1 878.78,1759.28 v1(878.78,1780.71)
  Bottom Layer w8: 4.49,480 14.49,490 60,490 130,560 D1.5@149.48,560
  Bottom Layer w30: v1(4.49,395.51) 4.49,480 4.49,532.24 v1(4.49,584.49)
  Bottom Layer w35: 4.49,532.24 -72.24,532.24 -100,560 -100,680.94 -206.01,786.95 -206.01,1213.99 -69.91,1350.09 v1(70.09,1350.09) 180.09,1350.09 472.17,1642.17 472.17,1742.17 v1(520,1742.17)
  other v1: -176.99,760.27 -206.01,1221.28 560,1742.17 600,1742.17
CC_INTO_L: J3.95 R2.1 rxPI1.296 U1.5 | length 444
  Top Layer w6: J3.95@184.13,657.45 218.85,657.45 226.3,650 v1(230,650)
  Top Layer w8: U1.5@-53,750 -19.48,750 -18.63,749.16 37.66,749.16 75.5,787 v1(80,787)
  Bottom Layer w6: v1(80,787) 160,787 230,717 v1(230,650)